# KiCad board v2a.kicad_pcb (continued)
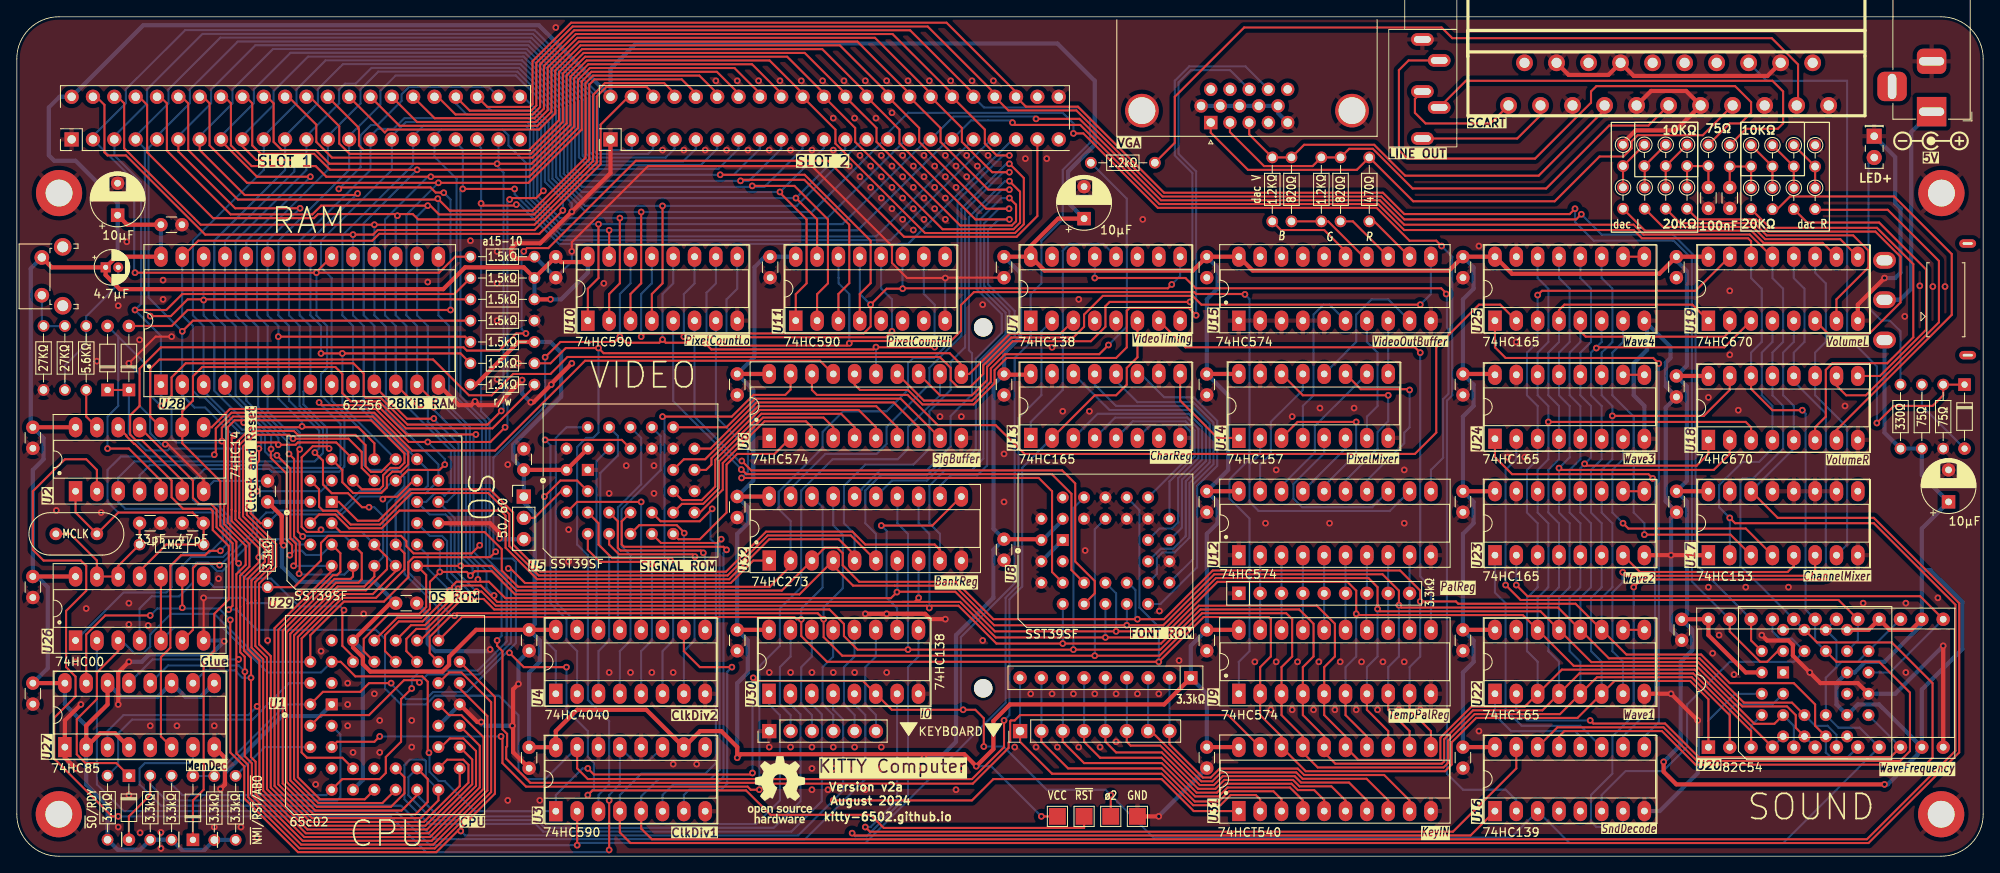
[diagram p0: board, top side]
## Nets
+5V: C1.1 C6.1 C7.1 C8.1 Cd1.1 Cd2.1 Cd3.1 Cd4.1 Cd5.1 Cd6.1 Cd7.1 Cd8.1 Cd9.1 Cd10.1 Cd11.1 Cd12.1 Cd13.1 Cd14.1 Cd15.1 Cd16.1 Cd17.1 Cd18.1 Cd19.1 Cd20.1 Cd22.1 Cd23.1 Cd24.1 Cd25.1 Cd26.1 Cd27.1 Cd28.1 Cd29.1 Cd30.1 Cd31.1 Cd32.1 J5.2 J6.2 J9.1 R1.2 R2.2 R3.2 R9.2 R11.2 R12.2 R38.1 R41.1 R42.2 R43.2 R44.2 RN2.1 SW1.2 SW2.1 TP1.1 U1.9 U1.37 U2.14 U3.10 U3.16 U4.16 U5.31 U5.32 U6.20 U7.16 U8.31 U8.32 U9.20 U10.16 U11.16 U12.20 U13.16 U14.16 U15.20 U16.16 U17.16 U18.16 U19.16 U20.11 U20.14 U20.16 U20.24 U21.13 U21.17 U21.19 U21.28 U22.16 U23.16 U24.16 U25.16 U26.14 U27.2 U27.4 U27.9 U27.11 U27.14 U27.16 U28.28 U29.32 U30.16 U31.20 U32.20
GND: C2.2 C3.2 C4.1 C5.1 C6.2 C7.2 C8.2 Cd1.2 Cd2.2 Cd3.2 Cd4.2 Cd5.2 Cd6.2 Cd7.2 Cd8.2 Cd9.2 Cd10.2 Cd11.2 Cd12.2 Cd13.2 Cd14.2 Cd15.2 Cd16.2 Cd17.2 Cd18.2 Cd19.2 Cd20.2 Cd22.2 Cd23.2 Cd24.2 Cd25.2 Cd26.2 Cd27.2 Cd28.2 Cd29.2 Cd30.2 Cd31.2 Cd32.2 D3.1 H1.1 H2.1 H3.1 H4.1 J1.1 J3.2 J4.4 J4.5 J4.8 J4.9 J4.13 J4.17 J4.18 J4.21 J5.1 J5.44 J6.1 J6.44 J7.0 J7.5 J7.6 J7.7 J7.8 J7.9 J7.10 J8.S J9.3 R4.2 R10.2 R13.2 R23.1 R32.1 R40.2 RN1.1 TP2.1 U1.1 U1.23 U1.24 U2.7 U3.8 U3.12 U3.14 U4.8 U5.1 U5.16 U5.22 U5.24 U5.30 U6.1 U6.10 U7.4 U7.5 U7.8 U8.1 U8.2 U8.3 U8.4 U8.16 U8.22 U8.24 U8.25 U8.28 U8.29 U8.30 U9.10 U10.8 U11.8 U12.1 U12.10 U13.8 U13.10 U13.15 U14.8 U14.15 U15.1 U15.2 U15.3 U15.4 U15.5 U15.10 U16.8 U17.1 U17.8 U17.10 U17.11 U17.12 U17.13 U17.15 U18.8 U19.8 U20.12 U21.14 U22.8 U22.15 U23.8 U23.15 U24.8 U24.15 U25.8 U25.15 U26.7 U27.1 U27.8 U28.14 U29.16 U30.8 U31.10 U32.10
VBUS: J3.1 SW2.2
/Audio/82c54: U16.6 U20.21 U21.24
/Audio/Ch1: U17.6 U22.7
/Audio/Ch2: U17.5 U23.7
/Audio/Ch3: U17.4 U24.7
/Audio/Ch4: U17.3 U25.7
/Audio/L0: R19.2 U19.10
/Audio/L1: R20.2 U19.9
/Audio/L2: R21.2 U19.7
/Audio/L3: R22.2 U19.6
/Audio/Osc 1: U20.10 U21.12 U22.2
/Audio/Osc 2: U20.13 U21.16 U23.2
/Audio/Osc 3: U20.17 U21.20 U24.2
/Audio/R0: R28.2 U18.10
/Audio/R1: R29.2 U18.9
/Audio/R2: R30.2 U18.7
/Audio/R3: R31.2 U18.6
/Audio/Sout: U17.7 U18.11 U19.11
/Audio/volume: U16.7 U18.12 U19.12
/Audio/wave 1: U16.12 U22.1
/Audio/wave 2: U16.11 U23.1
/Audio/wave 3: U16.10 U24.1
/Audio/wave 4: U16.9 U25.1
/IO/BANK: U30.10 U32.11
/IO/KeyIN 0: J1.2 U30.15
/IO/KeyIN 1: J1.3 U30.14
/IO/KeyIN 2: J1.4 U30.13
/IO/KeyIN 3: J1.5 U30.12
/IO/KeyIN 4: J1.6 U30.11
/IO/KeyOUT 0: J2.8 RN2.2 U31.9
/IO/KeyOUT 1: J2.7 RN2.3 U31.8
/IO/KeyOUT 2: J2.6 RN2.4 U31.7
/IO/KeyOUT 3: J2.5 RN2.5 U31.6
/IO/KeyOUT 4: J2.4 RN2.6 U31.5
/IO/KeyOUT 5: J2.3 RN2.7 U31.4
/IO/KeyOUT 6: J2.2 RN2.8 U31.3
/IO/KeyOUT 7: J2.1 RN2.9 U31.2
/Ports/SCARTLEFT: J4.3 J8.TN
/Ports/SCARTRIGHT: J4.1 J8.RN
/Video/bit 0: R14.1 U15.15
/Video/bit 1: R15.1 R16.1 U15.14
/Video/bit 2: R17.1 U15.13
/Video/bit 3: R18.1 U15.12
/Video/Pa0: U12.12 U14.2
/Video/Pa1: U12.13 U14.5
/Video/Pa2: U12.14 U14.11
/Video/Pa3: U12.15 U14.14
/Video/Pb0: U12.16 U14.3
/Video/Pb1: U12.17 U14.6
/Video/Pb2: U12.18 U14.10
/Video/Pb3: U12.19 U14.13
/Video/Y0: U8.8 U10.5
/Video/Y1: U8.7 U10.6
/Video/Y2: U8.6 U10.7
/Video/~{Y0}: U7.15
/Video/~{Y1}: U7.14
/Video/~{Y4}: U7.11
/Video/~{Y5}: U7.10
A0: J5.33 J6.33 U1.10 U10.15 U16.14 U18.14 U19.14 U20.19 U21.22 U28.10 U29.12
A1: J5.31 J6.31 U1.11 U10.1 U16.13 U18.13 U19.13 U20.20 U21.23 U28.9 U29.11
A2: J5.29 J6.29 U1.13 U10.2 U28.8 U29.10
A3: J5.27 J6.27 U1.14 U10.3 U16.2 U28.7 U29.9
A4: J5.25 J6.25 U1.15 U10.4 U28.6 U29.8 U30.1
A5: J5.23 J6.23 U1.16 U11.15 U28.5 U29.7 U30.2
A6: J5.21 J6.21 U1.17 U11.1 U28.4 U29.6 U30.3
A7: J5.19 J6.19 U1.18 U11.2 U28.3 U29.5
A8: J5.17 J6.17 U1.19 U11.3 U28.25 U29.27
A9: J5.15 J6.15 U1.20 U11.4 U28.24 U29.26
A10: J5.13 J6.13 R8.1 U1.21 U28.21 U29.23
A11: J5.11 J6.11 R9.1 U1.22 U27.3 U28.23 U29.25
A12: J5.9 J6.9 R10.1 U1.25 U27.10 U28.2 U29.4
A13: J5.7 J6.7 R11.1 U1.26 U27.12 U28.26 U29.28
A14: J5.5 J6.5 R12.1 U1.27 U27.13 U28.1 U29.29
A15: J5.3 J6.3 R13.1 U1.28 U26.9 U27.15 U28.20 U30.4 U31.1
AudioMux0: U3.4 U5.12 U17.14 U18.5 U19.5
AudioMux1: U3.5 U5.11 U17.2 U18.4 U19.4
B0: J5.34 J6.34 U29.3 U32.2
B1: J5.32 J6.32 U29.2 U32.5
B2: J5.30 J6.30 U29.30 U32.6
B3: J5.28 J6.28 U29.1 U32.9
B4: J5.26 J6.26 U32.12
B5: J5.24 J6.24 U32.15
B6: J5.22 J6.22 U32.16
B7: D5.2 J5.20 J5.41 J6.20 U2.5 U32.19
BusDriver: D1.1 U1.40 U9.1 U10.12 U10.14 U11.14 U26.3
CLK0: U2.2 U3.11 U3.13
CLK1: U2.11 U3.15 U7.6 U13.2
CLK2: J5.36 J6.36 TP4.1 U1.41 U3.1 U7.1 U16.3 U20.9 U20.15 U20.18 U21.10 U21.18 U21.21 U26.5 U26.10 U30.6
CLK4: U3.2 U7.2 U26.2
CLK8: R8.2 U3.3 U6.11 U7.3
D0: J5.18 J6.18 U1.36 U8.12 U9.9 U18.15 U20.8 U21.9 U22.11 U23.11 U24.11 U25.11 U28.11 U29.13 U31.11 U32.3
D1: J5.16 J6.16 U1.35 U8.11 U9.8 U18.1 U20.7 U21.8 U22.12 U23.12 U24.12 U25.12 U28.12 U29.14 U31.12 U32.4
D2: J5.14 J6.14 U1.34 U8.10 U9.7 U18.2 U20.6 U21.7 U22.13 U23.13 U24.13 U25.13 U28.13 U29.15 U31.13 U32.7
D3: J5.12 J6.12 U1.33 U8.9 U9.6 U18.3 U20.5 U21.6 U22.14 U23.14 U24.14 U25.14 U28.15 U29.17 U31.14 U32.8
D4: J5.10 J6.10 U1.32 U8.5 U9.5 U19.15 U20.4 U21.5 U22.3 U23.3 U24.3 U25.3 U28.16 U29.18 U31.15 U32.13
D5: J5.8 J6.8 U1.31 U8.27 U9.4 U19.1 U20.3 U21.4 U22.4 U23.4 U24.4 U25.4 U28.17 U29.19 U31.16 U32.14
D6: J5.6 J6.6 U1.30 U8.26 U9.3 U19.2 U20.2 U21.3 U22.5 U23.5 U24.5 U25.5 U28.18 U29.20 U31.17 U32.17
D7: J5.4 J6.4 U1.29 U8.23 U9.2 U19.3 U20.1 U21.2 U22.6 U23.6 U24.6 U25.6 U28.19 U29.21 U31.18 U32.18
FX TICK: U6.18 U25.2
LEFT: J8.T R27.1
R/~{W}: R2.1 U1.38 U2.9
RAM: U27.7 U30.5
RDY: D1.2 R1.1 U1.3
RIGHT: J8.R R36.1
ROM DISABLE: D4.2 J5.42
VBlue: J4.7 J7.3 R14.2 R15.2
VGreen: J4.11 J7.2 R16.2 R17.2
VPixel: U6.17 U26.1
VRed: J4.15 J7.1 R18.2
VReset: U4.11 U6.19
~{B7}: J6.41 U2.6
~{CART}: J5.35 J6.35 R37.1 U26.8
~{ChrGet}: U7.12 U13.1
~{CLK1}: U2.10 U15.11
~{HSync}: J7.13 U6.16
~{NMI}: J5.37 J6.37 R3.1 U1.7
~{OscWr}: U16.1 U30.9
~{PalGet}: U7.7 U9.11
~{PalPush}: U7.13 U12.11
~{PAL}/NTSC: J9.2 U5.2
~{RAMRD}: U2.3 U27.6 U28.22
~{RegTick}: U7.9 U10.11 U10.13 U11.11 U11.13
~{RESET}: D2.2 J5.39 J6.39 R43.1 TP3.1 U1.44
~{R}/W: J5.38 J6.38 U2.8 U20.22 U21.26 U26.4 U29.24
~{Sync}: R39.1 U6.14
~{VIrq}: U1.5 U6.12
~{VolWr}: U16.15 U30.7
~{VP}: U1.2 U32.1
~{VReset}: U6.15 U10.10 U11.10
~{VSync}: J7.14 U6.13
~{WR}: J5.40 J6.40 U20.23 U21.27 U26.6 U28.27 U29.31
Net-(C1-Pad2): C1.2 R5.2 R6.1
Net-(C2-Pad1): C2.1 R7.1 U26.12 U26.13 Y1.2
Net-(C3-Pad1): C3.1 R7.2 U2.1 U26.11 Y1.1
Net-(C4-Pad2): C4.2 R22.1 R26.2 R27.2
Net-(C5-Pad2): C5.2 R31.1 R35.2 R36.2
Net-(D2-K): D2.1 U2.12
Net-(D3-A): D3.2 R41.2
Net-(D4-K): D4.1 D5.1 R37.2 U29.22
Net-(D6-A): D6.2 R38.2
Net-(D6-K): D6.1 J4.16 R40.1
Net-(J4-P19): J4.19 R39.2
Net-(R4-Pad1): R4.1 R5.1 SW1.1
Net-(R6-Pad2): R6.2 U2.13
Net-(R19-Pad1): R19.1 R23.2 R24.1
Net-(R20-Pad1): R20.1 R24.2 R25.1
Net-(R21-Pad1): R21.1 R25.2 R26.1
Net-(R28-Pad1): R28.1 R32.2 R33.1
Net-(R29-Pad1): R29.1 R33.2 R34.1
Net-(R30-Pad1): R30.1 R34.2 R35.1
Net-(RN1-R1): RN1.2 U9.19 U12.2
Net-(RN1-R2): RN1.3 U9.18 U12.3
Net-(RN1-R3): RN1.4 U9.17 U12.4
Net-(RN1-R4): RN1.5 U9.16 U12.5
Net-(RN1-R5): RN1.6 U9.15 U12.6
Net-(RN1-R6): RN1.7 U9.14 U12.7
Net-(RN1-R7): RN1.8 U9.13 U12.8
Net-(RN1-R8): RN1.9 U9.12 U12.9
Net-(U1-~{SO}): R42.1 U1.42
Net-(U1-ϕ1): R44.1 U1.4
Net-(U3-Q6): U3.6 U5.10
Net-(U3-Q7): U3.7 U4.10 U5.9
Net-(U4-Q0): U4.9 U5.8
Net-(U4-Q1): U4.7 U5.7
Net-(U4-Q2): U4.6 U5.6
Net-(U4-Q3): U4.5 U5.5
Net-(U4-Q4): U4.3 U5.27
Net-(U4-Q5): U4.2 U5.26
Net-(U4-Q6): U4.4 U5.23
Net-(U4-Q7): U4.13 U5.25
Net-(U4-Q8): U4.12 U5.4
Net-(U4-Q9): U4.14 U5.28
Net-(U4-Q10): U4.15 U5.29
Net-(U4-Q11): U4.1 U5.3
Net-(U5-D0): U5.13 U6.2
Net-(U5-D1): U5.14 U6.3
Net-(U5-D2): U5.15 U6.4
Net-(U5-D3): U5.17 U6.5
Net-(U5-D4): U5.18 U6.6
Net-(U5-D5): U5.19 U6.7
Net-(U5-D6): U5.20 U6.8
Net-(U5-D7): U5.21 U6.9
Net-(U10-~{RCO}): U10.9 U11.12
Net-(U13-D0): U8.13 U13.11
Net-(U13-D1): U8.14 U13.12
Net-(U13-D2): U8.15 U13.13
Net-(U13-D3): U8.17 U13.14
Net-(U13-D4): U8.18 U13.3
Net-(U13-D5): U8.19 U13.4
Net-(U13-D6): U8.20 U13.5
Net-(U13-D7): U8.21 U13.6
Net-(U13-Q7): U13.9 U14.1
Net-(U14-Za): U14.4 U15.6
Net-(U14-Zb): U14.7 U15.7
Net-(U14-Zc): U14.9 U15.8
Net-(U14-Zd): U14.12 U15.9
Net-(U22-DS): U22.9 U22.10
Net-(U23-DS): U23.9 U23.10
Net-(U24-DS): U24.9 U24.10
Net-(U25-DS): U25.9 U25.10
Net-(U31-G2): U2.4 U31.19

Pads without a net: J3 MP; J4 2 6 10 12 14 20; J5 43; J6 42 43; J7 4 11 12 15; SW2 3; U1 6 8 12 39 43; U3 9; U11 5 6 7 9; U13 7; U15 16 17 18 19; U16 4 5; U17 9; U21 1 11 15 25; U27 5

## Via types
v1: diameter 0.8, hole 0.4, Top to Bottom, 496 vias

## Routing (per net, layer and track width the routed paths; a pad name or vN(x,y) marks a point on that pad's centre or on a via; arc(x,y) is an arc through that point)
+5V: length 1320.2
  Top w0.25: TP1.1 v1(121.93,4.75)
  Top w0.5: Cd31.1 U5.32 U5.31 ; U21.19 220.36,26.97 U20.16 222.88,26.97 225.44,26.97 U20.14 ; U24.16 175.8,57.45 Cd28.1 ; Cd3.1 117.57,57.36 120.66,57.36 ; U10.16 67.31,70.78 64.78,70.78 Cd19.1 R12.2 60.33,70.15 53.34,70.15 50.75,67.55 12.26,67.55 10.57,69.24 C1.1 ; 89.07,71.42 89.03,71.38 ; Cd32.1 175.65,13 175.9,12.75 ; v1(222.25,8.56) 197.49,8.56 195.97,10.07 v1(195.97,11.24) ; U8.32 121.82,37.77 Cd6.1 ; U22.16 Cd16.1 ; Cd18.1 13.13,75.23 C8.1 ; U27.16 Cd15.1 ; U28.28 11.86,71.42 10.59,70.15 4.15,70.15 SW1.2 ; U9.20 Cd1.1 ; U6.20 Cd7.1 ; U23.16 Cd9.1 ; U12.20 Cd26.1 ; U30.16 Cd25.1 ; U17.16 Cd22.1 ; Cd27.1 U2.14 ; R2.2 54.61,56.18 59.69,61.26 R9.2 ; U32.20 Cd4.1 ; Cd20.1 198.13,28.23 U20.24 201.3,26.33 205.75,21.89 U21.28 ; U31.20 Cd2.1 ; 197.02,71.28 197.16,71.42 U19.16 ; Cd23.1 195.46,69.39 177.93,69.39 U25.16 Cd30.1 170.44,69.77 147.07,69.77 U15.20 Cd12.1 139.96,69.77 122.31,69.77 U7.16 ; C7.1 123.92,75.95 120.66,72.69 U7.16 ; U7.16 Cd29.1 ; Cd14.1 44.45,30.14 U1.37 40.01,24.89 41.19,23.71 41.19,22.88 42.07,22 50.65,22 51.44,22.79 51.44,23.75 54.66,26.97 Cd8.1 U4.16 ; Cd10.1 31.52,40.54 31.52,37.27 v1(31.75,37.04) ; RN2.1 136.53,18.08 118.18,18.08 116.21,16.11 116.21,12.76 v1(114.17,10.72) 112.74,12.15 86.15,12.15 v1(85.73,11.73) 85.73,13 83.83,14.91 81.31,14.91 U3.10 74.92,17.44 66.68,17.44 64.14,14.91 U3.16 Cd11.1 ; 201.3,57.21 197.02,57.21 ; U27.14 10.8,18.08 8.26,15.54 U27.2 9.91,14.65 11.69,14.65 U27.4 ; U14.16 Cd17.1 ; R11.2 v1(63.5,66.34) ; U26.14 Cd13.1
  Bottom w0.25: v1(114.17,10.72) 115.95,10.72 v1(121.93,4.75)
  Bottom w0.5: 197.02,71.42 198.74,69.7 198.74,58.46 Cd24.1 198.74,55.96 198.74,44.71 Cd22.1 198.76,42.23 198.76,28.86 Cd20.1 199.38,26.97 199.38,24.54 198,23.16 198,13.26 v1(195.97,11.24) ; Cd2.1 141.61,19.35 RN2.1 139.71,25.06 Cd1.1 141.61,38.4 142.88,39.67 142.88,42.21 Cd26.1 144.15,46.02 144.15,54.91 Cd17.1 141.61,66.34 142.88,67.61 142.88,70.15 Cd12.1 ; Cd11.1 60.97,21.89 62.23,23.16 62.23,25.7 Cd8.1 61.63,27.64 61.63,40.84 60.33,42.14 Cd31.1 59.08,47.27 59.08,49.04 64.78,54.73 64.78,59.99 63.5,61.26 R9.2 ; U11.16 Cd5.1 ; U20.11 221.61,18.08 219.08,18.08 U21.13 216.54,18.08 216.54,20.62 U21.17 218.71,21.89 219.98,23.16 222.25,23.16 226.7,27.61 U20.14 226.7,34.08 ; U20.11 226.19,12.48 226.19,12.11 222.64,8.56 v1(222.25,8.56) ; U20.11 226.7,19.86 231.53,24.68 231.53,30.27 227.72,34.08 226.7,34.08 ; Cd14.1 42.55,32.69 33.36,32.69 31.54,34.5 31.54,36.83 v1(31.75,37.04) ; Cd29.1 119.38,69.52 119.38,61.8 117.48,59.9 Cd3.1 116.23,56.2 116.23,39.02 Cd6.1 116.21,36.5 116.21,30.78 111.76,26.33 111.76,13.64 109.86,11.73 v1(107.96,11.73) ; Cd4.1 87,41.58 87,39.67 85.73,38.4 Cd25.1 86.98,25.72 86.98,21.87 85.73,20.62 v1(85.73,11.73) ; Cd4.1 85.73,43.48 ; Cd4.1 87.64,44.75 87.64,55.55 Cd7.1 87.78,59.5 87.78,70.17 89.03,71.42 ; 122.08,37.67 124.62,40.2 ; 226.7,34.08 226.7,39.03 C6.1 226.7,45.39 R38.1 R41.1 222.25,50.47 SW2.1 ; Cd19.1 64.14,70.78 ; Cd13.1 2.42,33.32 3.69,32.05 3.69,22.4 Cd15.1 ; U29.32 30.48,42.21 ; 1.91,33.95 1.91,46.02 3.18,47.29 3.18,49.83 Cd27.1 1.65,51.36 1.65,70 SW1.2 ; U27.16 5.72,18.08 8.26,15.54 U27.2 8.26,8.56 10.8,6.01 R42.2 12,0.77 14.68,0.77 R1.2 R3.2 19.64,0.75 22.32,0.75 R43.2 23.52,1.95 R44.2 ; Cd32.1 172.09,21.89 173.36,23.16 173.36,25.7 Cd16.1 172.09,38.4 173.36,39.67 173.36,42.21 Cd9.1 172.09,52.37 173.36,53.64 173.36,56.18 Cd28.1 172.09,66.34 173.36,67.61 173.36,70.15 Cd30.1 ; U27.9 21.85,18.97 20.07,18.97 U27.11 16.77,18.97 12.45,18.97 U27.14 ; C7.1 125.1,77.86 125.1,81.58 128.28,84.75 128.28,92.38 123.83,96.82 73.67,96.82 70.65,93.8 J6.2 62.13,98.98 15.04,98.98 J5.2 5.09,90.47 3.81,89.2 3.81,83.48 4.45,82.85 6.99,82.85 12,77.84 C8.1 12,71.58 C1.1 ; U1.9 41.17,9.08 41.17,24.54 U1.37 ; U32.20 89.54,42.21 ; U10.16 67.95,69.52 64.78,66.34 v1(63.5,66.34) ; R11.2 R12.2 ; U28.28 Cd18.1
GND: length 528.3
  Top w0.25: U2.7 22.23,44.84 18,49.07 v1(17.66,49.07) ; Cd29.2 110.53,68.92 v1(110.5,68.88) 105.94,68.88 104.15,70.68 104.15,72.69 94.62,82.22 75.11,82.22 66.05,73.15 v1(66.05,72.06) ; v1(18.42,61.89) 16.52,61.89 v1(13.34,58.72) ; v1(22.23,30.78) U26.7
  Top w0.5: v1(24.68,25.61) 24.68,25.7 24.77,25.61 ; v1(135.9,4.75) TP2.1 ; U1.24 54.8,15.99 v1(55.27,15.99) ; v1(200.03,16.17) v1(196.85,19.35) U22.8 ; v1(66.05,58.72) 63.59,56.27 v1(63.59,56.18) 61.49,54.08 v1(61.16,54.08) ; v1(207.65,26.33) 208.28,25.7 210.82,25.7 211.35,25.17 211.35,23.9 v1(213.37,21.89) 214.63,20.62 219.08,20.62 U21.14 ; v1(59.69,20.52) 59.06,19.89 59.06,15.63 v1(58.97,15.54) 59.06,15.45 59.06,12.39 Cd11.2 ; v1(57.44,37.88) 57.44,38.55 56.31,39.67 U29.16 ; J6.1 70.65,81.38 66.01,76.75 ; v1(7.62,18.08) 5.72,16.17 U27.1 5.72,11.73 v1(6.99,10.46) ; J4.9 194.48,91.16 198.65,91.16 J4.13 197.4,86.47 192.65,86.47 191.14,84.96 R23.1 ; U19.8 219.08,65.7 v1(222.25,68.88) ; U27.8 24.77,11.73 24.77,8.55 v1(24.23,8.01) ; J4.18 208.33,92.95 192.42,92.95 J4.8 189.4,93.07 184.68,93.07 J4.4 ; v1(13.34,23.16) 12.07,21.89 v1(12.07,18.08) ; U28.14 52.62,53.73 54.07,53.73 v1(54.53,54.19) 54.98,53.73 57.14,53.73 v1(60.13,56.72) ; v1(66.05,76.78) 62.28,73.02 59.46,73.02 58.84,72.41 58.84,71.7 59.34,71.2 61.39,71.2 R13.2 ; U17.1 v1(196.85,35.86) U23.8 ; v1(229.24,25.06) U20.12 ; v1(100.97,28.88) v1(103.51,28.88) 108.08,28.88 108.72,28.24 v1(110.5,28.24)
  Bottom w0.25: Cd19.2 66.05,70.83 v1(66.05,72.06) ; v1(30.48,30.14) 27.63,30.14 26.99,30.78 v1(22.23,30.78) ; U11.8 110.47,68.86 v1(110.5,68.88) ; J5.44 60.26,90.47 63.29,87.45 63.29,80.53 66.05,77.77 66.05,76.78 v1(66.05,76.78) ; U2.7 23.46,44.71 Cd10.2 ; 3.22,55.55 3.18,55.58 ; v1(17.66,49.07) 17.19,49.07 15.88,50.38 15.88,52.38 14.61,53.65 14.61,57.45 v1(13.34,58.72)
  Bottom w0.5: v1(24.23,8.01) 24.77,8.55 24.77,9.93 31.54,16.7 36.09,16.7 U1.1 ; 151.24,87.4 150.09,88.54 J7.10 J7.6 ; Cd20.2 196.85,26.99 v1(196.85,35.86) 196.85,40.33 Cd22.2 196.22,42.27 196.22,53.44 Cd24.2 196.24,55.96 196.24,58.81 196.79,59.36 196.79,60.69 U25.8 194,63.48 194,60.31 192.41,58.72 192.41,54.91 193.68,53.64 U24.8 ; v1(229.24,25.06) 223.52,19.35 U21.14 ; D3.1 223.52,83.28 223.52,77.77 224.16,77.13 224.16,69.52 223.52,68.88 v1(222.25,68.88) ; 24.68,25.7 U26.7 ; v1(135.9,4.75) 135.9,4.78 Cd2.2 ; U16.8 195.51,5.38 200.03,9.9 v1(200.03,16.17) ; R13.2 61.64,71.42 Cd19.2 ; v1(59.69,20.52) 59.69,23.2 Cd8.2 ; v1(56.32,24.63) 56.13,24.43 49.8,24.43 48.9,25.33 48.9,28.83 Cd14.2 ; U1.23 U1.24 ; U8.1 U8.2 ; v1(61.16,54.08) 60.13,55.11 v1(60.13,56.72) ; v1(24.68,25.61) 23.12,24.05 15.76,24.05 14.87,23.16 v1(13.34,23.16) ; v1(58.97,15.54) 55.72,15.54 v1(55.27,15.99) ; J9.3 57.55,37.77 v1(57.44,37.88)
  vias: v1(4.7,41.19) v1(6.99,23.16) v1(8.26,29.51) v1(9.53,58.97) v1(10.04,40.94) v1(12.07,65.58) v1(12.07,3.47) v1(13.09,73.2) v1(13.34,30.14) v1(13.34,27.61) v1(13.34,7.28) v1(14.61,61.51) v1(14.67,2.8) v1(15.63,27.48) v1(15.88,15.54) v1(17.15,2.84) v1(17.15,0.94) v1(17.4,68.63) v1(17.4,66.34) v1(19.05,15.54) v1(23.5,15.54) v1(23.5,3.47) v1(24.01,33.07) v1(26.67,3.47) v1(28.58,2.21) v1(29.85,25.7) v1(33.66,31.42) v1(35.56,8.56) v1(36.2,24.43) v1(39.38,20.62) v1(39.38,18.08) v1(39.38,15.54) v1(40.01,12.36) v1(41.28,28.88) v1(42.55,19.35) v1(43.19,16.17) v1(43.19,12.36) v1(47,16.17) v1(47,13) v1(48.9,68.4) v1(53.98,73.33) v1(57.16,72.06) v1(57.16,68.25) v1(57.16,63.8) v1(57.16,56.81) v1(58.42,46.66) v1(58.42,6.65) v1(59.69,58.72) v1(62.23,6.65) v1(64.14,98.72) v1(65.66,38.91) v1(65.66,35.1) v1(69.86,68.25) v1(70.49,43.23) v1(70.49,21.89) v1(72.52,46.53) v1(73.03,21.89) v1(75.57,21.89) v1(75.82,46.53) v1(75.82,43.23) v1(76.84,84.12) v1(78.11,21.89) v1(78.11,10.97) v1(79.38,84.12) v1(80.9,10.97) v1(81.92,84.12) v1(83.19,92.38) v1(84.46,84.12) v1(85.73,92.38) v1(87,84.12) v1(88.27,92.38) v1(89.54,84.12) v1(89.54,21.89) v1(89.54,13) v1(89.54,10.46) v1(89.54,7.92) v1(90.81,92.38) v1(92.08,84.12) v1(92.08,21.89) v1(92.08,13) v1(92.08,10.46) v1(92.08,7.92) v1(93.35,92.38) v1(94.62,84.12) v1(94.62,21.89) v1(94.62,13) v1(94.62,10.46) v1(94.62,7.92) v1(95.89,92.38) v1(96.53,7.92) v1(97.16,87.93) v1(97.16,84.12) v1(97.16,21.89) v1(97.16,13) v1(97.16,10.46) v1(98.43,92.38) v1(99.06,82.22) v1(99.7,87.93) v1(99.7,21.89) v1(99.7,13) v1(99.7,10.46) v1(100.34,83.48) v1(100.34,80.94) v1(100.97,92.38) v1(100.97,7.92) v1(101.6,82.22) v1(101.6,79.67) v1(102.24,87.93) v1(102.88,83.48) v1(102.88,80.94) v1(102.88,78.41) v1(102.88,13) v1(102.88,10.46) v1(103.51,92.38) v1(103.51,21.89) v1(104.15,88.56) v1(104.15,82.22) v1(104.15,79.67) v1(104.15,77.13) v1(105.41,83.48) v1(105.41,80.94) v1(105.41,78.41) v1(105.41,75.86) v1(106.05,92.38) v1(106.69,82.22) v1(106.69,79.67) v1(106.69,77.13) v1(106.69,74.59) v1(107.32,10.46) v1(107.96,83.48) v1(107.96,80.94) v1(107.96,78.41) v1(107.96,75.86) v1(108.59,92.38) v1(109.22,82.22) v1(109.22,79.67) v1(109.22,77.13) v1(109.86,52.37) v1(110.5,83.48) v1(110.5,80.94) v1(110.5,78.41) v1(110.5,75.86) v1(111.13,92.38) v1(111.76,82.22) v1(111.76,79.67) v1(111.76,7.92) v1(112.4,52.37) v1(112.4,10.46) v1(113.03,83.48) v1(113.03,80.94) v1(113.67,92.38) v1(114.31,82.22) v1(114.94,65.7) v1(114.94,25.7) v1(115.57,83.48) v1(116.21,92.38) v1(117.48,47.92) v1(117.48,42.21) v1(118.75,13) v1(120.02,83.1) v1(120.66,19.35) v1(121.29,13) v1(122.56,83.1) v1(123.19,60.62) v1(123.19,19.35) v1(123.83,13) v1(124.47,53) v1(125.74,19.35) v1(126.37,66.34) v1(126.37,13) v1(127.13,36.42) v1(127.64,53) v1(128.28,19.35) v1(128.91,13) v1(130.81,19.35) v1(130.81,13.64) v1(133.35,19.35) v1(133.99,75.86) v1(135.9,19.35) v1(135.97,29.21) v1(138.31,23.31) v1(147.32,23.16) v1(148.59,39.67) v1(149.23,17.44) v1(149.87,46.02) v1(149.87,23.16) v1(151.77,52.37) v1(151.77,17.44) v1(152.41,23.16) v1(154.31,17.44) v1(154.94,23.16) v1(155.07,53.39) v1(156.22,39.67) v1(156.85,17.44) v1(157.49,23.16) v1(159.14,53.39) v1(159.39,17.44) v1(160.03,23.16) v1(161.93,17.44) v1(162.56,23.16) v1(164.47,17.44) v1(165.1,46.02) v1(165.1,39.67) v1(165.1,23.16) v1(167.01,17.44) v1(174,72.69) v1(174,14.91) v1(177.42,47.54) v1(178.44,61.26) v1(179.46,47.54) v1(201.3,54.66) v1(201.3,32.05) v1(201.81,24.18) v1(202.57,26.33) v1(203.84,67.36) v1(203.84,59.74) v1(204.35,21.64) v1(204.86,53.13) v1(205.75,32.05) v1(210.82,32.05) v1(217.56,53.64) v1(219.71,30.14) v1(224.67,64.31) v1(224.8,30.14) v1(224.8,21.89) v1(226.46,67.95) v1(228.01,67.86) v1(228.61,30.78) v1(229.46,67.86)
VBUS: length 25.8
  Bottom w0.5: SW2.2 224.11,66.29 225.43,67.61 225.43,86.27 J3.1
/Audio/82c54: length 42.3
  Bottom w0.25: U16.6 188.6,7.28 191.46,10.14 195.9,10.14 198.76,13 198.76,18.07 203.85,23.16 211.46,23.16 U21.24 211.23,25.93 209.76,25.93 208.92,26.77 U20.21
/Audio/Ch1: length 40.7
  Top w0.25: U17.6 214,33.95 213.46,33.41 191.52,33.41 v1(191.1,33.83)
  Bottom w0.25: v1(191.1,33.83) 191.1,32.65 189.87,31.41 189.87,24.43 191.14,23.16 U22.7
/Audio/Ch2: length 22.7
  Top w0.25: U17.5 211.46,34.59 210.73,33.86 193.14,33.86 U23.7
/Audio/Ch3: length 30.5
  Top w0.25: U17.4 205.75,39.03 191.78,39.03 v1(191.14,39.67)
  Bottom w0.25: U24.7 191.14,47.29 189.87,46.02 189.87,40.94 v1(191.14,39.67)
/Audio/Ch4: length 41.3
  Top w0.25: U17.3 203.93,38.31 v1(193.68,38.31)
  Bottom w0.25: v1(193.68,38.31) 193.68,39.67 192.41,40.94 192.41,52.37 189.87,54.91 189.87,59.99 191.14,61.26 U25.7
/Audio/L0: length 27.8
  Top w0.25: R19.2 193.76,74.52 206.4,74.52 207.86,73.06 214.9,73.06 U19.10
/Audio/L1: length 27.7
  Top w0.25: U19.9 216.99,73.51 208.05,73.51 206.59,74.97 195.89,74.97 R20.2
/Audio/L2: length 36.1
  Top w0.25: R21.2 197.94,75.42 206.78,75.42 208.23,73.96 218.53,73.96 220.35,72.14 220.35,70.15 216.54,66.34 U19.7
/Audio/L3: length 45.5
  Top w0.25: R22.2 200.03,75.86 206.96,75.86 208.42,74.41 221.17,74.41 224.16,71.42 224.16,65.97 220.46,62.28 215.53,62.28 U19.6
/Audio/Osc 1: length 55.8
  Top w0.25: U20.10 222.98,11.81 200.14,11.81 196.14,15.81 187.6,15.81 v1(187.24,16.17)
  Bottom w0.25: U22.2 178.44,17.44 179.71,16.17 v1(187.24,16.17) ; U21.12 220.35,16.8 U20.10
/Audio/Osc 2: length 67.6
  Top w0.25: U20.13 226.49,30.98 179.77,30.98 v1(178.44,32.3)
  Bottom w0.25: v1(178.44,32.3) U23.2 ; U20.13 222.9,21.89 U21.16
/Audio/Osc 3: length 65.9
  Top w0.25: U20.17 216.78,30.53 178.95,30.53 v1(177.17,32.3)
  Bottom w0.25: U24.2 178.44,47.29 177.17,46.02 v1(177.17,32.3) ; U20.17 219.08,25.7 U21.20
/Audio/R0: length 42
  Top w0.25: 216.54,57.21 216.54,56.06 217.69,54.91 220.04,54.91 228.73,63.6 228.73,70.91 222.64,77.01 214.08,77.01 R28.2
/Audio/R1: length 36.3
  Top w0.25: R29.2 213.06,75.48 221.62,75.48 227.21,69.9 227.21,62.71 221.71,57.21 219.08,57.21
/Audio/R2: length 52.6
  Top w0.25: U18.7 216.54,50.77 230.26,64.49 230.26,71.74 223.39,78.6 211.02,78.6 209.5,77.09 R30.2
/Audio/R3: length 51.6
  Top w0.25: U18.6 214,51.1 215.27,52.37 215.27,57.93 216.07,58.74 222.56,58.74 222.58,58.72 225.68,61.83 225.68,70.53 221.36,74.86 208.6,74.86 R31.2
/Audio/Sout: length 38.7
  Bottom w0.25: U19.11 214,69.52 215.27,68.25 215.27,61.26 214,59.99 214,54.91 217.81,51.1 217.81,37.13 U17.7
/Audio/volume: length 99.8
  Top w0.25: v1(215.27,33.32) 214.91,32.96 193.32,32.96 v1(192.41,32.05)
  Bottom w0.25: v1(192.41,32.05) 192.41,16.81 189.87,14.27 189.87,9.82 187.33,7.28 187.33,4.11 187.97,3.47 190.5,3.47 191.14,4.11 U16.7 ; v1(215.27,33.32) 215.27,52.75 211.46,56.56 211.46,59.99 212.73,61.26 212.73,67.61 211.46,68.88 U19.12
/Audio/wave 1: length 15
  Bottom w0.25: U22.1 175.9,16.81 177.81,14.91 185.43,14.91 186.06,14.27 U16.12
/Audio/wave 2: length 32.2
  Bottom w0.25: U23.1 175.9,31.42 177.17,30.14 177.17,17.44 179.07,15.54 186.06,15.54 U16.11
/Audio/wave 3: length 55.7
  Top w0.25: U24.1 175.9,47.54 177.93,45.51 194.17,45.51 v1(194.68,45)
  Bottom w0.25: v1(194.68,45) 194.95,44.73 194.95,18.08 191.14,14.27 U16.10
/Audio/wave 4: length 69.9
  Top w0.25: v1(195.39,58.7) 194.73,59.36 177.17,59.36 175.9,60.62 U25.1
  Bottom w0.25: U16.9 193.68,14.27 195.4,15.99 195.4,58.69 v1(195.39,58.7)
/IO/BANK: length 24.2
  Top w0.25: U32.11 108.94,39.39 v1(102.88,39.39)
  Bottom w0.25: v1(102.88,39.39) 103.51,38.75 103.51,30.78 104.76,29.53 U30.10
/IO/KeyIN 0: length 12.5
  Bottom w0.25: U30.15 92.08,26.95 92.08,23.8 90.81,22.53 90.81,18.08 92.08,16.81 92.08,15.54
/IO/KeyIN 1: length 12.5
  Bottom w0.25: 94.62,15.54 94.62,16.81 93.35,18.08 93.35,22.53 94.62,23.8 94.6,23.82 U30.14
/IO/KeyIN 2: length 12.5
  Bottom w0.25: 97.16,15.54 97.16,16.81 95.89,18.08 95.89,22.53 97.14,23.77 U30.13
/IO/KeyIN 3: length 12.5
  Bottom w0.25: U30.12 99.68,23.77 98.43,22.53 98.43,18.08 99.7,16.81 99.7,15.54
/IO/KeyIN 4: length 12.5
  Bottom w0.25: U30.11 102.22,23.77 100.97,22.53 100.97,18.08 102.24,16.81 102.24,15.54
/IO/KeyOUT 0: length 41.4
  Top w0.25: U31.9 165.74,6.65 162.72,9.68 153.2,9.68 152.44,10.44 143.14,10.44 142.08,9.38 141.14,9.38 137.16,13.35 137.16,15.54
  Bottom w0.25: 137.16,15.54 137.16,21.25
/IO/KeyOUT 1: length 40.3
  Top w0.25: 134.62,15.54 134.62,15.26 140.96,8.93 142.26,8.93 143.32,9.99 152.25,9.99 153.01,9.22 160.62,9.22 163.2,6.65 U31.8
  Bottom w0.25: RN2.3 134.62,15.54
/IO/KeyOUT 2: length 40.6
  Top w0.25: J2.6 132.09,13.64 132.54,13.18 136.07,13.18 140.77,8.47 142.45,8.47 143.51,9.53 152.06,9.53 152.82,8.78 158.53,8.78 160.66,6.65 U31.7
  Bottom w0.25: 132.09,15.54 RN2.4
/IO/KeyOUT 3: length 40.6
  Top w0.25: J2.5 129.54,13.64 130.81,12.36 136.24,12.36 140.58,8.03 142.64,8.03 143.7,9.09 151.88,9.09 152.64,8.32 156.43,8.32 158.12,6.64 U31.6
  Bottom w0.25: 129.54,21.25 129.54,15.54
/IO/KeyOUT 4: length 41.3
  Top w0.25: 127,15.54 J2.4 127,13.64 128.91,11.73 136.24,11.73 140.4,7.57 142.82,7.57 143.88,8.63 151.69,8.63 152.45,7.88 154.39,7.88 155.58,6.69 U31.5
  Bottom w0.25: 127,15.54 127,21.25
/IO/KeyOUT 5: length 41.2
  Top w0.25: U31.4 153.04,6.65 151.5,8.19 144.07,8.19 143.01,7.12 140.21,7.12 136.24,11.09 127.01,11.09 124.47,13.64 124.47,15.54
  Bottom w0.25: RN2.7 124.47,15.54
/IO/KeyOUT 6: length 41.4
  Top w0.25: U31.3 150.5,6.78 149.54,7.74 144.25,7.74 143.04,6.52 140.18,6.52 136.24,10.46 125.1,10.46 121.93,13.64 121.93,15.54
  Bottom w0.25: 121.93,15.54 RN2.8
/IO/KeyOUT 7: length 41.4
  Top w0.25: 119.38,15.54 119.38,13.64 123.19,9.82 136.24,9.82 139.99,6.07 143.23,6.07 144.44,7.28 147.45,7.28 147.96,6.78 U31.2
  Bottom w0.25: 119.38,21.25 119.38,15.54
/Ports/SCARTLEFT: length 16.4
  Top w0.25: J8.TN 178.55,85.5 181.32,88.27 181.32,89.44
/Ports/SCARTRIGHT: length 15.5
  Top w0.25: J4.1 175.37,87.3 167.65,87.3 166.38,88.56 166.38,90.21 J8.RN
/Video/bit 0: length 10.8
  Top w0.25: U15.15 158.12,72.06 155.58,74.59 150.43,74.59 R14.1
/Video/bit 1: length 10.7
  Top w0.25: R15.1 R16.1 156.05,75.63 160.26,71.42 U15.14
/Video/bit 2: length 7.4
  Top w0.25: U15.13 158.99,75.63 R17.1
/Video/bit 3: length 6.5
  Top w0.25: R18.1 161.53,75.63 U15.12
/Video/Pa0: length 28.6
  Bottom w0.25: U12.12 163.38,41.12 147.78,41.12 146.69,42.21 146.69,46.66 147.96,47.92 U14.2
/Video/Pa1: length 21.2
  Bottom w0.25: U14.5 155.58,48.01 151.91,44.35 151.91,42.61 152.95,41.58 161.29,41.58 U12.13
/Video/Pa2: length 22.6
  Top w0.25: U14.11 159.94,55.64 165.65,55.64 v1(165.74,55.55)
  Bottom w0.25: U12.14 160.66,44.75 165.1,49.19 165.1,50.47 165.74,51.1 v1(165.74,55.55)
/Video/Pa3: length 27.3
  Top w0.25: v1(163.2,54.91) 153.04,54.91 U14.14
  Bottom w0.25: v1(163.2,54.91) 163.2,51.82 161.93,50.55 161.93,48.56 158.12,44.75 U12.15
/Video/Pb0: length 19.5
  Top w0.25: U14.3 152.41,51.73 v1(159.39,51.73)
  Bottom w0.25: v1(159.39,51.73) 159.39,47.92 155.58,44.11 U12.16
/Video/Pb1: length 8.5
  Bottom w0.25: U14.6 158.12,48.56 U12.17
/Video/Pb2: length 18.2
  Bottom w0.25: U12.18 150.5,44.11 154.46,48.07 154.46,51.25 U14.10
/Video/Pb3: length 16.1
  Bottom w0.25: U14.13 153.04,55.55 149.23,51.73 149.23,47.92 147.96,46.66 U12.19
/Video/Y0: length 72.8
  Top w0.25: 127,32.58 125.5,34.09 125.5,43.17 123.16,45.51 86.82,45.51 86.55,45.79 86.49,45.79 v1(86.22,46.06)
  Bottom w0.25: U10.5 78.11,54.23 86.22,46.12 v1(86.22,46.06)
/Video/Y1: length 75.9
  Top w0.25: U8.7 128.28,31.31 128.28,32.78 125.95,35.1 125.95,44.41 124.4,45.96 87.4,45.96 v1(86.28,47.09)
  Bottom w0.25: v1(86.28,47.09) 85.93,47.09 80.65,52.37 U10.6
/Video/Y2: length 69.7
  Top w0.25: v1(86.25,45.06) 121.61,45.06 123.19,43.48 123.19,33.86 124.47,32.58
  Bottom w0.25: U10.7 83.19,52.37 87,48.56 87,45.81 v1(86.25,45.06)
A0: length 401.9
  Top w0.25: U19.14 206.38,73.27 206.03,73.61 193.39,73.61 192.41,74.59 165.1,74.59 162.01,77.69 135.97,77.69 126.55,87.12 118.76,87.12 v1(118.48,87.39) ; U10.15 v1(70.49,74.57) ; U21.22 216.54,23.16 221.62,23.16 225.29,19.5 225.29,12.52 224.12,11.36 199.95,11.36 195.96,15.36 183.34,15.36 U16.14 ; 206.38,57.21 206.38,55.67 208.92,53.13 v1(212.48,53.13) ; U1.10 38.74,11.73 34.53,11.73 33.89,12.36 33.89,25.94 38.74,30.78 42.75,30.78 46.13,34.16 46.13,36.09 U29.12
  Bottom w0.25: U19.14 206.38,68.88 207.65,67.61 207.65,61.26 206.38,59.99 206.38,57.21 ; 111.29,85.79 100.07,74.57 64.8,74.57 61.04,78.33 61.04,86.51 60.54,87.02 48.39,87.02 47.16,85.79 47.16,82.38 38.74,73.96 38.74,64.44 40.01,63.17 U28.10 40.01,54.27 46.59,47.69 46.59,43.91 45.09,42.41 U29.12 ; U21.22 214,25.7 U20.19 212.88,29.36 212.88,52.73 v1(212.48,53.13) ; 118.48,87.66 113.56,87.66 J6.33
A1: length 431
  Top w0.25: v1(69.22,75.3) 69.22,68.88 67.95,67.61 U10.1 ; U1.11 41.42,6.78 36.07,6.78 33.44,9.41 33.44,26.12 38.55,31.23 42.36,31.23 45.09,33.95 U29.11 ; U19.13 208.86,71.42 206.22,74.06 193.57,74.06 192.41,75.23 165.1,75.23 162.19,78.14 136.16,78.14 126.46,87.84 v1(121.29,87.84) ; U21.23 214.23,25.47 223.12,25.47 227.97,20.62 227.97,11.73 227.15,10.91 199.76,10.91 195.77,14.91 184.16,14.91 183.52,14.27 U16.13
  Bottom w0.25: 108.75,85.79 98.25,75.3 64.71,75.3 61.49,78.52 61.49,86.7 60.72,87.47 46.3,87.47 44.62,85.79 44.62,81.75 36.2,73.33 36.2,70.15 37.47,68.88 U28.9 37.47,54.27 41.28,50.46 41.28,47.93 41.28,47.92 41.28,46.66 41.92,46.02 45.29,46.02 46.13,45.18 46.13,44.08 44.05,42.01 44.05,35.63 U29.11 ; v1(121.29,87.84) 121.29,87.93 121.1,88.12 111.47,88.12 J6.31 ; U19.13 208.92,68.88 210.19,67.61 210.19,61.26 208.92,59.99 208.92,54.91 210.19,53.64 210.19,48.56 206.63,45 205.37,45 205.11,44.75 205.11,34.58 U20.20 211.47,28.23 U21.23
A2: length 205.2
  Top w0.25: v1(37.16,48.56) 36.88,48.84 35.21,48.84 33.89,47.52 33.89,39.24 34.5,38.63 35.94,38.63 v1(36.2,38.89) ; v1(71.76,76.02) 71.76,68.25 70.49,66.97 U10.2 ; U1.13 43.5,6.34 35.88,6.34 32.99,9.23 32.99,26.31 38.37,31.68 41.55,31.68 44.05,34.19 44.05,35.63 U29.10
  Bottom w0.25: v1(36.2,38.89) 36.46,38.63 41.05,38.63 U29.10 ; 106.21,85.79 96.44,76.02 64.62,76.02 61.94,78.71 61.94,86.89 60.91,87.91 46.11,87.91 44.86,86.66 42.95,86.66 42.08,85.79 42.08,81.75 33.66,73.33 33.66,64.44 34.93,63.17 U28.8 34.11,55.36 34.11,53.83 36.88,51.05 36.88,48.84 v1(37.16,48.56)
A3: length 359.4
  Top w0.25: U29.9 42.55,33.32 41.36,32.13 38.18,32.13 32.54,26.49 32.54,9.04 35.7,5.88 44.52,5.88 46.13,7.49 46.13,9.42 U1.14 ; v1(41.92,41.58) 41.08,41.58 39.41,43.25 37.47,43.25 36.43,44.28 36.43,47.12 v1(35.48,48.08) ; v1(74.3,76.75) 74.3,68.25 73.03,66.97 U10.3 ; v1(125.74,86.11) 126.92,86.11 135.78,77.24 161.82,77.24 165.73,73.33 168.91,73.33 v1(169.55,72.69)
  Bottom w0.25: U29.9 43.6,35.64 43.6,40.52 42.55,41.58 v1(41.92,41.58) ; v1(35.48,48.08) 35.98,48.59 35.98,50.68 32.39,54.27 U28.7 32.39,63.17 31.12,64.44 31.12,73.33 39.54,81.75 39.54,85.79 43.26,89.5 43.26,91.18 45.09,93.01 59.38,93.01 63.74,88.65 63.74,80.72 67.71,76.75 94.62,76.75 103.67,85.79 ; v1(169.55,72.69) 170.82,71.42 170.82,54.91 170.19,54.28 170.19,9.82 172.09,7.92 177.17,7.92 178.44,6.65 U16.2 ; v1(125.74,86.11) 125.74,87.3 124.47,88.56 106.05,88.56 103.67,86.18 J6.27
